# Altium PCB E.PcbDoc
Units mm, origin at the board's own origin, x right, y up, seen from the top; angles counter-clockwise.
Board outline 90 x 45 mm, 2 copper layers (Top Layer, Bottom Layer); 62 components, 41 nets, 213 pads, 2 vias.
Unrouted connection lines stored in the file: 100.
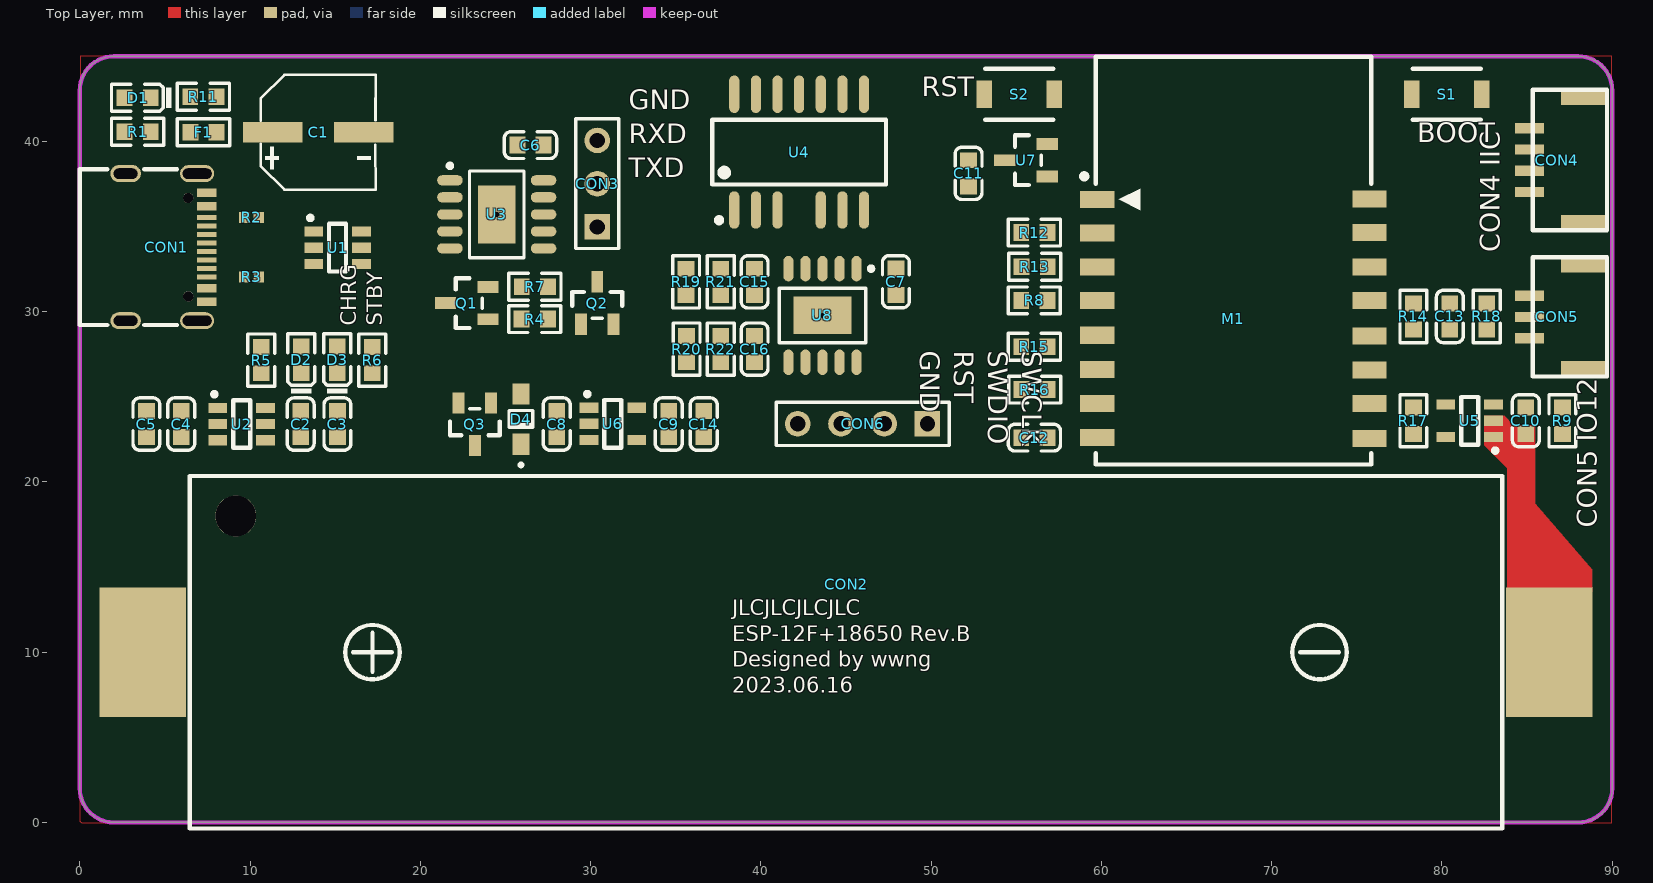
[diagram p0: Top Layer view]
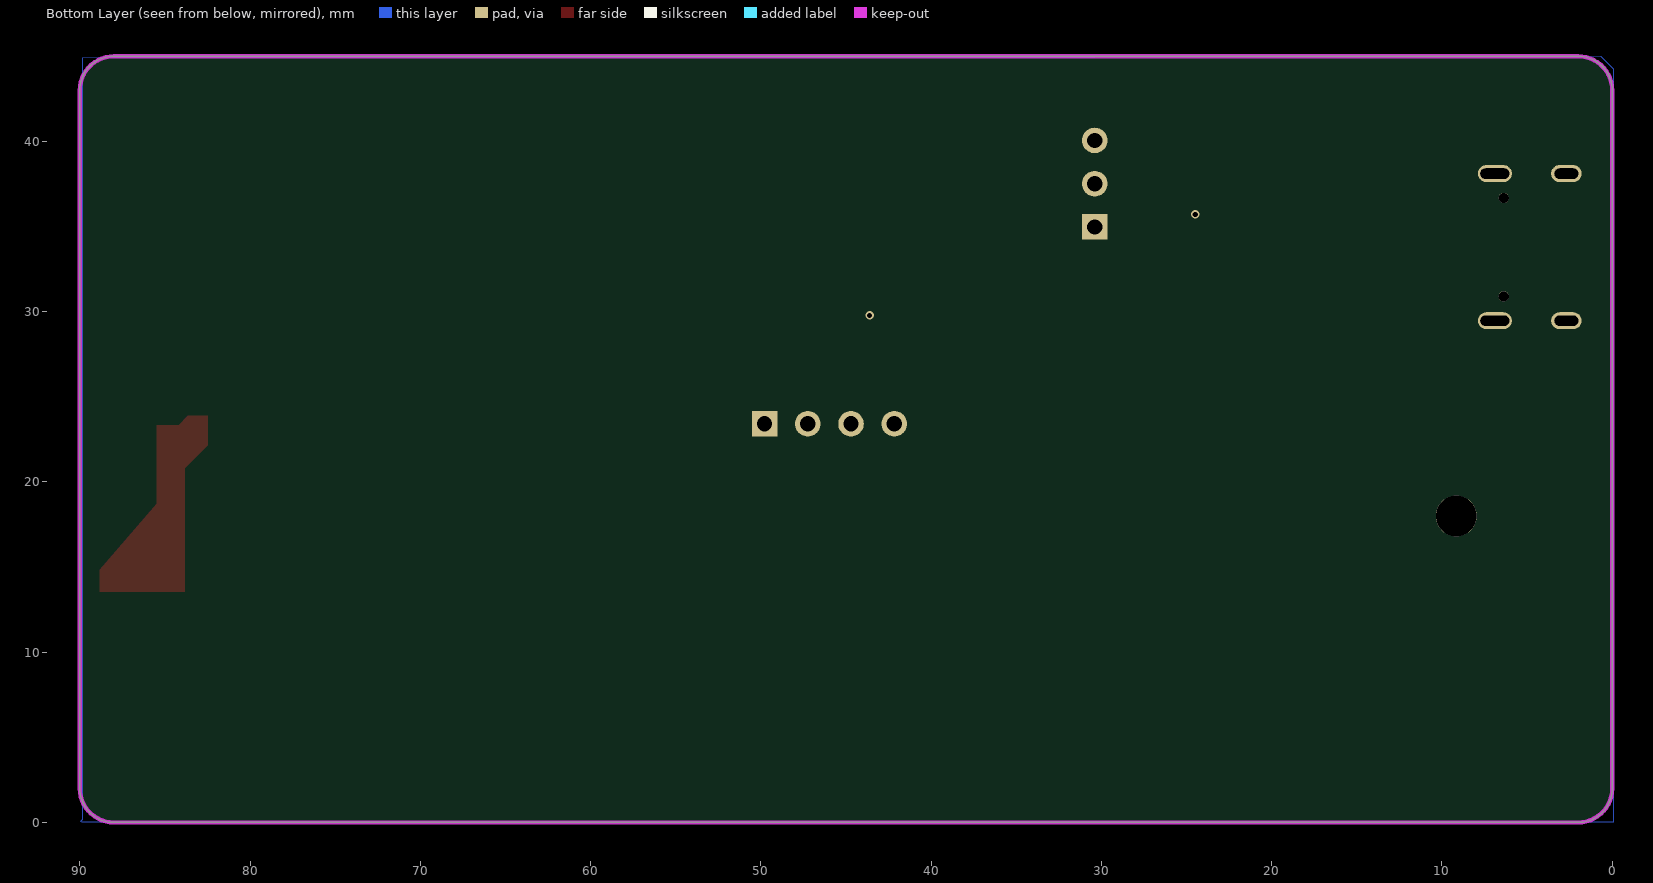
[diagram p1: Bottom Layer view, seen from below]

## Layer stack, top to bottom
Top Solder: solder mask 0.0102, Solder Resist, Dk 3.5
Top Layer: signal copper 0.0356
Dielectric 1: dielectric 0.32, FR-4, Dk 4.8
Bottom Layer: signal copper 0.0356
Bottom Solder: solder mask 0.0102, Solder Resist, Dk 3.5

## Board outline
0,2 0,43 cw(c2,43) 2,45 88,45 cw(c88,43) 90,43 90,2 cw(c88,2) 88,0 2,0 cw(c2,2)

## Design rules (kind name [scope] priority, off if disabled: settings)
Clearance [All] p1: gap=0.152 ignorepadtopadclearanceinfootprint=FALSE
PolygonConnect [All] p1: connectstyle=Direct reliefconductorwidth=0.254 reliefentries=4 polygonreliefangle="45 Angle" airgapwidth=0.254
RoutingVias [All] p1: holewidth=0.711 width=1.27 viastyle="Through Hole" minholewidth=0.711 minwidth=1.27 maxholewidth=0.711 maxwidth=1.27
SolderMaskExpansion [All] p1: expansion=0.102 istentingtop=FALSE
Width [All] p1: maxlimit=1 minlimit=0.152 preferedwidth=0.254
30 further rules are at their usual default settings.

## Components (designator, comment, footprint, x,y, rotation, side; value= is the part's Value field where it differs from the comment)
C1 "Cap Pol1" CAP-SMD_BD6.3-L6.6-W6.6-FD 13.995,40.538 r0 top value=100uF/16V
C2 "4.7uF" 0603_C 12.97,23.401 r90 top
C3 "0.1uF" 0603_C 15.134,23.401 r90 top
C4 "4.7uF" 0603_C 5.96,23.401 r90 top
C5 "0.1uF" 0603_C 3.913,23.401 r90 top
C6 "0.1uF" 0603_C 26.468,39.788 r180 top
C7 "0.1uF" 0603_C 47.931,31.759 r270 top
C8 "1uF" 0603_C 28.009,23.401 r90 top
C9 "1uF" 0603_C 34.588,23.401 r90 top
C10 "0.1uF" 0603_C 84.927,23.593 r270 top
C11 "0.1uF" 0603_C 52.197,38.126 r90 top
C12 "0.1uF" 0603_C 56.064,22.605 r0 top
C13 "0.1uF" 0603_C 80.466,29.718 r270 top
C14 "0.1uF" 0603_C 36.643,23.401 r90 top
C15 "0.1uF" 0603_C 39.629,31.751 r90 top
C16 "0.1uF" 0603_C 39.631,27.799 r270 top
CON1 "USB Type-C" TYPE-C-SMD_HX-TYPE-C-16PIN 5.075,33.79 r270 top locked
CON2 "18650" "BATTERY-SMD_18650-1S-L77.1-W20.7-1 - duplicate" 45,10 r90 top locked
CON3 "HDR1x3" hdr1x3 30.391,34.978 r90 top
CON4 "GH1.25" "GH1.25 4P 卧贴" 89.691,38.904 r90 top
CON5 "GH1.25 3P" "GH1.25  3P 卧贴" 89.691,29.691 r90 top
CON6 "HDR1x4" hdr1x4 49.784,23.413 r180 top
D1 "LED" 0603_LED_S1 3.398,42.57 r180 top
D2 "LED" 0603_LED_S1 13.005,27.178 r90 top
D3 "LED" 0603_LED_S1 15.113,27.178 r90 top
D4 "B5819W SL" SOD-123_MARK 25.911,23.696 r90 top
F1 "6V/0.5A" 0603_L 7.264,40.538 r0 top
M1 "ESP-12F" ESP_12 59.756,36.595 r0 top locked
Q1 "SS8050" SOT-23(SOT-23-3) 22.728,30.506 r0 top
Q2 "SS8050" SOT-23(SOT-23-3) 30.391,30.506 r270 top
Q3 "AO3415" SOT-23(SOT-23-3) 23.203,23.388 r90 top
R1 "10K" 0603_R 3.399,40.564 r0 top
R2 "5.1K" 0402 10.084,35.54 r180 top
R3 "5.1K" 0402 10.084,32.04 r180 top
R4 "10K" 0603_R 26.72,29.566 r180 top
R5 "10K" 0603_R 10.666,27.157 r90 top
R6 "10K" 0603_R 17.17,27.157 r270 top
R7 "10K" 0603_R 26.728,31.456 r0 top
R8 "10K" 0603_R 56.058,30.658 r180 top
R9 "1K" 0603_R 87.08,23.593 r270 top
R11 "10K" 0603_R 7.256,42.621 r180 top
R12 "10K" 0603_R 56.064,34.645 r0 top
R13 "10K" 0603_R 56.083,32.639 r0 top
R14 "10K" 0603_R 78.326,29.718 r90 top
R15 "10K" 0603_R 56.064,27.949 r180 top
R16 "10K" 0603_R 56.083,25.425 r180 top
R17 "10K" 0603_R 78.326,23.593 r270 top
R18 "10K" 0603_R 82.625,29.718 r90 top
R19 "10K" 0603_R 35.607,31.751 r270 top
R20 "10K" 0603_R 35.634,27.799 r270 top
R21 "10K" 0603_R 37.649,31.751 r90 top
R22 "10K" 0603_R 37.639,27.799 r270 top
S1 "3*4 龟仔" "3*4 龟仔" 80.283,42.773 r0 top
S2 "3*4 龟仔" "3*4 龟仔" 55.178,42.773 r180 top
U1 "USBLC6-2" SOT-23-6 15.138,33.757 r180 top
U2 "TP4057" SOT-23-6 9.504,23.401 r180 top
U3 "CH340K" SOP100P600X185_HS-11N 24.488,35.715 r0 top
U4 "RX8025" SOP-14_208mil 42.248,39.373 r0 top
U5 "IP3012" SOT-23-5 81.628,23.593 r0 top
U6 "RT9013-3.0V" SOT-23-5 31.309,23.413 r180 top
U7 "MAX809T" SOT-23(SOT-23-3) 55.576,38.896 r0 top
U8 "PY32F002AA15M" SOP100P600X185_HS-11N 43.619,29.779 r270 top

## Footprints (in the part's own frame and the unit in brackets; to place one, negate y for a bottom-side part, rotate by r counter-clockwise, add the part's x,y. Pads: shape width x height; smd on the part's side, far side on the other; paste and mask are expansions set on the pad)
"3*4 龟仔" [mm]
  rect 0.9x1.6 smd: 1(-2.05,0) 2(2.05,0)
  silkscreen extent -2,-1.5 2,1.5
0402 [mm]
  rect 0.6x0.65 smd mask+0.051: 1(-0.425,0) 2(0.425,0)
0603_C [mm]
  rect 0.93x0.98 smd: 1(-0.77,0) 2(0.77,0)
  silkscreen extent -1.53,-0.79 1.54,0.79, body extent -0.8,-0.4 0.8,0.4, height 0.3
0603_L [mm]
  rect 0.93x0.98 smd: 1(-0.77,0) 2(0.77,0)
  silkscreen extent -1.53,-0.79 1.54,0.79, body extent -0.82,-0.41 0.83,0.41, height 0.46
0603_LED_S1 [mm]
  rect 0.93x0.98 smd: A(0.77,0) K(-0.77,0)
  silkscreen extent -1.98,-0.79 1.54,0.79, body extent -0.8,-0.4 0.8,0.4, height 0.6
0603_R [mm]
  rect 0.93x0.98 smd: 1(-0.77,0) 2(0.77,0)
  silkscreen extent -1.53,-0.79 1.54,0.79, body extent -0.85,-0.4 0.85,0.4, height 0.56
"BATTERY-SMD_18650-1S-L77.1-W20.7-1 - duplicate" [mm] "Connector; Header; 3 Position"
  rect 7.62x5.08 smd paste+0 mask+0.051: 1(0,-41.313) 2(0,41.313)
  round 2.4 hole 2.4: 5(8,35.84)
  silkscreen extent -10.35,-38.54 10.35,38.54
CAP-SMD_BD6.3-L6.6-W6.6-FD [mm]
  rect 3.5x1.2 smd: 1(-2.67,0) 2(2.67,0)
  silkscreen extent -3.38,-3.38 3.38,3.38
ESP_12 [mm] "ESP-12 Wi-Fi Module by AI-Thinker"
  rect 2x1 smd: 1(0,0) 2(0,-1.97) 3(0,-3.97) 4(0,-5.94) 5(0,-7.98) 6(0,-9.99) 7(0,-11.98) 8(0,-13.99) 9(16,-14.03) 10(16,-11.99) 11(16,-10.03) 12(16,-8.01) 13(16,-5.95) 14(16,-3.97) 15(16,-1.95) 16(16,0.03)
  silkscreen extent -0.91,-15.57 16.08,8.37, body extent 0,-15.49 16,8.51, height 2.75
"GH1.25 4P 卧贴" [mm]
  rect 1x2.7 smd: 0(-3.725,1.35) 0(3.725,1.35)
  rect 0.6x1.7 smd: 1(-1.875,4.55) 2(-0.625,4.55) 3(0.625,4.55) 4(1.875,4.55)
  silkscreen extent -4.12,0 4.13,4.35
"GH1.25  3P 卧贴" [mm]
  rect 1x2.7 smd: 0(-3.1,1.35) 0(3.1,1.35)
  rect 0.6x1.7 smd: 1(-1.25,4.55) 2(0,4.55) 3(1.25,4.55)
  silkscreen extent -3.5,0 3.5,4.35
hdr1x3 [mm] "Connector; Header; 3 Position"
  rect 1.5x1.5 hole 0.9: 1(0,0)
  round 1.5 hole 0.9: 2(2.54,0) 3(5.08,0)
  silkscreen extent -1.27,-1.27 6.35,1.27
hdr1x4 [mm] "Connector; Header; 4 Position"
  rect 1.5x1.5 hole 0.9: 1(0,0)
  round 1.5 hole 0.9: 2(2.54,0) 3(5.08,0) 4(7.62,0)
  silkscreen extent -1.27,-1.27 8.89,1.27
SOD-123_MARK [mm]
  rect 1.25x1 smd: 1(1.475,0) 2(-1.475,0)
  silkscreen extent -2.79,-0.7 0.5,0.7, body extent -1.85,-0.77 1.85,0.78, height 1.35
SOP100P600X185_HS-11N [mm] "SOP, 10-Leads, Body 4.90x3.90mm, Pitch 1.00mm, Thermal Pad 3.40x2.20mm, IPC Medium Density"
  oval 1.5x0.6 smd: 1(-2.75,2) 2(-2.75,1) 3(-2.75,0) 4(-2.75,-1) 5(-2.75,-2) 6(2.75,-2) 7(2.75,-1) 8(2.75,0) 9(2.75,1) 10(2.75,2)
  rect 2.2x3.4 smd: 11(0,0)
  silkscreen extent -2.87,-2.55 1.6,2.97, body extent -3,-2.55 3,2.55, height 1.85
SOP-14_208mil [mm]
  oval 0.6x2.2 smd: 1(-3.81,-3.4) 2(-2.54,-3.4) 3(-1.27,-3.4) 5(1.27,-3.4) 6(2.54,-3.4) 7(3.81,-3.4) 8(3.81,3.4) 9(2.54,3.4) 10(1.27,3.4) 11(0,3.4) 12(-1.27,3.4) 13(-2.54,3.4) 14(-3.81,3.4)
  oval 0.6x2.2 on Top Overlay: 4(0,-3.4)
  silkscreen extent -5.1,-4.15 5.1,1.9
SOT-23(SOT-23-3) [mm]
  rect 1.25x0.7 smd: 1(1.25,-0.95) 2(1.25,0.95) 3(-1.25,0)
  silkscreen extent -0.65,-1.46 0.9,1.46, body extent -1.5,-1.5 1.5,1.5, height 1.3
SOT-23-5 [mm]
  rect 1.1x0.6 smd: 1(1.4,-0.95) 2(1.4,0) 3(1.4,0.95) 4(-1.4,0.95) 5(-1.4,-0.95)
  silkscreen extent -0.5,-1.87 1.63,1.4
SOT-23-6 [mm]
  rect 1.1x0.6 smd: 1(1.4,-0.95) 2(1.4,0) 3(1.4,0.95) 4(-1.4,0.95) 5(-1.4,0) 6(-1.4,-0.95)
  silkscreen extent -0.5,-1.87 1.72,1.4
TYPE-C-SMD_HX-TYPE-C-16PIN [mm]
  oval 1x2 hole 0.6 slot 1.7 at 90 deg paste+0 mask+0.051: 1(-4.32,1.816) 1(4.32,1.816)
  oval 1x1.8 hole 0.6 slot 1.4 at 90 deg paste+0 mask+0.051: 1(-4.32,-2.384) 1(4.32,-2.384)
  round 0.6 hole 0.6: 6(-2.89,1.296) 6(2.89,1.296)
  rect 0.5x1.14 smd paste-100 mask+0.051: A1(-3.2,2.383) A4(-2.4,2.383) A9(2.4,2.383) A12(3.2,2.383)
  rect 0.3x1.14 smd paste-100 mask+0.051: A5(-1.25,2.383) A6(-0.25,2.383) A7(0.25,2.383) A8(1.25,2.384) B5(1.75,2.383) B6(0.75,2.383) B7(-0.75,2.383) B8(-1.75,2.384)
  silkscreen extent -4.57,-5.08 4.57,0.63

## Part data
C1: "Polarized Capacitor (Radial)", LatestRevisionDate=17-Jul-2002, LatestRevisionNote="Re-released for DXP Platform.", PackageDescription="Polarized Capacitor (Radial); 2 Leads", PackageReference=RB7.6-15, Published=8-Jun-2000, Publisher="Altium Limited"
C2 C3 C4 C5 C6 C7 C8 C9 C10 C11 C12 C13 C14 C15 C16: library part "0603 100nF (104) 10% 50V", "贴片电容", Package=0603, SuppliersPartNumber=C14663, ComponentLink1Description=供应商链接, ComponentLink1URL=http://www.szlcsc.com/product/details_15331.html, Supplier=LC
CON2 CON4: library part HDR1x3
CON3: library part HDR1x4
CON5: library part HDR1x2
D1 D2 D3 D4: library part Diode, "二极管", Package=SMA(DO-214AC), SuppliersPartNumber=C95872, ComponentLink1Description=供应商链接, ComponentLink1URL=http://www.szlcsc.com/product/details_2841.html, Notepad="1N4007 4007 编号C2464 已经停售, 使用新物料编号C95872", Supplier=LC
F1 R1 R2 R3 R4 R5 R6 R7 R8 R9 R11 R12 R13 R14 R15 R16 R17 R18 R19 R20 R21 R22: library part RES, "Resistor"
Q1 Q2: "NPN General Purpose Amplifier"
Q3: "P沟道,-20V,-4A,41mΩ@-4.5V"
S1 S2: library part SW-PB, "Switch", LatestRevisionDate=17-Jul-2002, LatestRevisionNote="Re-released for DXP Platform.", PackageDescription="Switch; 2 Leads", PackageReference=SPST-2, Published=24-Mar-1999, Publisher="Altium Limited"
U1: library part TP4057, "500mA 线性锂离子电池充电器"
U2: library part USBLC6-2, "Very low capacitance ESD protection"
U4: "BL8025T 管装  实时时钟芯片 I2C接口，内置温度补偿晶振，工业级温度-40℃~85℃，近似芯片：EPSON的RX8025T。"
U5: library part RT9013-3.3V
U6: library part BQ27426YZF
U7: "3.08v"
U8: library part IP3012, "高精度内置 MOSFET 单节锂电池保护 IC"

## Via types
v1: diameter 0.5, hole 0.3, Top Layer to Bottom Layer, tented both sides, 2 vias

## Nets (pads, with @x,y where several pads share a name; then routed paths per layer and width w, separated by ;. In a path a pad name is that pad's centre, name@x,y a point inside that pad or via, vN(x,y) a via of type N, cw(c..) or ccw(c..) an arc to the next point about the centre after c; other vN are vias at no path point)
+3.0V: C7.1 C9.2 C11.2 C12.2 C13.2 C14.2 CON4.1 CON5.1 M1.8 R8.2 R12.1 R15.2 R16.2 R18.1 U4.6 U6.5 U7.3 U8.1
+5V: C1.1 C2.1 C3.1 D4.1 F1.2 Q3.1 R1.2 R6.2 R11.1 U1.5 U2.4 U3.7
BAT+: C4.1 C5.1 CON2.2 Q3.3 R9.2 R19.2 U2.3
BAT-: C10.2 CON2.1 U5.1 U5.2
BATADC: C15.2 R19.1 R21.2 U8.5
BOOT: Q1.3 R14.2 S1.1
DTR: Q1.2 R7.1 U3.4
F002RST: CON6.3 U8.4
GND: C1.2 C2.2 C3.2 C4.2 C5.2 C6.2 C7.2 C8.1 C9.1 C11.1 C12.1 C13.1 C14.1 C15.1 C16.1 CON1.A1 CON1.A12 CON3.3 CON4.4 CON5.3 CON6.4 D1.K M1.9 R2.1 R3.1 R5.2 R11.2 R17.2 R21.1 R22.1 S1.2 S2.2 U1.2 U2.2 U3.3 U4.11 U5.4 U6.2 U7.1 U8.10
INT: M1.5 R8.1 U4.10
IO2: CON5.2 M1.11 R18.2
IO12SDA: CON4.2 M1.13 R15.1 U4.13 U8.2
IO13SCL: CON4.3 M1.14 R16.1 U4.2 U8.3
LDOADC: C16.2 R20.1 R22.2 U8.6
LDOVin: C8.2 D4.2 Q3.2 R20.2 U6.1 U6.3
NetC6_1: C6.1 U3.10
NetC10_1: C10.1 R9.1 U5.3
NetCON1_A4: CON1.A4 CON1.A9 F1.1
NetCON1_A5: CON1.A5 R2.2
NetCON1_A6: CON1.A6 CON1.B6 U1.1
NetCON1_A7: CON1.A7 CON1.B7 U1.3
NetCON1_B5: CON1.B5 R3.2
NetD1_A: D1.A R1.1
NetD2_A: D2.A D3.A R6.1
NetD2_K: D2.K U2.1
NetD3_K: D3.K U2.5
NetM1_3: M1.3 R12.2
NetM1_4: M1.4 R13.2
NetM1_10: M1.10 R17.1
NetM1_12: M1.12 R14.1
NetQ1_1: Q1.1 R4.2
NetQ2_1: Q2.1 R7.2
NetR5_1: R5.1 U2.6
NetU1_4: U1.4 U3.2
NetU1_6: U1.6 U3.1
RST: M1.1 Q2.2 R13.1 S2.1 U7.2
RTS: Q2.3 R4.1 U3.6
RXD: CON3.2 M1.16 U3.9
SWCLK: CON6.1 U8.9
SWDIO: CON6.2 U8.8
TXD: CON3.1 M1.15 U3.8
pads on no net: CON1.1 CON1.6 CON1.A8 CON1.B8 CON2.5 CON4.0 CON5.0 M1.2 M1.6 M1.7 U3.5 U3.11 U4.1 U4.3 U4.4 U4.5 U4.7 U4.8 U4.9 U4.12 U4.14 U5.5 U6.4 U8.7 U8.11
copper on no net:
  other v1: 43.619,29.779 24.488,35.715

## Polygon pours and split planes (outlines as drawn)
GND on Bottom Layer "NONET_L02_P003" (solid, shelved, pour order 3): 0.677,45 -0.051,44.272 -0.051,0 89.865,0 89.941,0.076 89.814,0.203 89.814,44.925
GND on Top Layer "NONET_L01_P001" (solid, remove dead copper, shelved, pour order 1): 0,0.076 0.102,-0.025 89.967,-0.025 89.967,45 0.029,45

## Keep-outs
Keep-Out Layer:
  the board outline again, w0.254

## Other copper
Top Layer:
  region net BAT-: 82.499,23.876 82.499,22.149 83.845,20.803 83.845,13.564 88.824,13.564 88.824,14.831 85.471,18.71 85.471,23.343 84.201,23.343 83.668,23.876
  pour cut-out: 58.483,44.893 58.432,44.842 58.432,37.501 76.898,37.501 76.923,37.476 76.999,37.552 76.999,44.969
Bottom Layer:
  pour cut-out: 77,44.958 77.051,44.907 77.051,37.567 58.598,37.541 58.56,37.541 58.483,37.617 58.483,45.034

## Silkscreen, mask and mechanical layers (free items; w line width, h text height)
Top Overlay:
  text "RST" at 49.454,42.266 h2
  text "BOOT" at 78.562,39.573 h2
  text "GND / RXD / TXD" at 32.24,37.518 h2
  text "CON4 IIC" at 83.769,33.477 h2 r90
  text "CHRG / STBY" at 18.059,29.185 h1.52 r90
  text "SWCLK / SWDIO / RST / GND" at 48.971,27.711 h2 r270
  text "CON5 IO12" at 89.484,17.323 h2 r90
  text "JLCJLCJLCJLC / ESP-12F+18650 Rev.B / Designed by wwng / 2023.06.16" at 38.329,7.315 h1.52

## Text inside footprints (layer, text, board x,y; h text height)
M1: Mechanical 13 "CUTOUT POLYGON" at 59.883,43.961 h0.25; Mechanical 13 "ANTENNA AREA" at 59.883,44.469 h0.25